# Altium PCB STC89C52_led流水灯_Project.PcbDoc (part 1 of 2)
Units mm, origin at the board's own origin, x right, y up, seen from the top; angles counter-clockwise.
Board outline 100 x 80 mm, 2 copper layers (Top Layer, Bottom Layer); 175 components, 183 nets, 540 pads, 112 vias.
Unrouted connection lines stored in the file: 28.
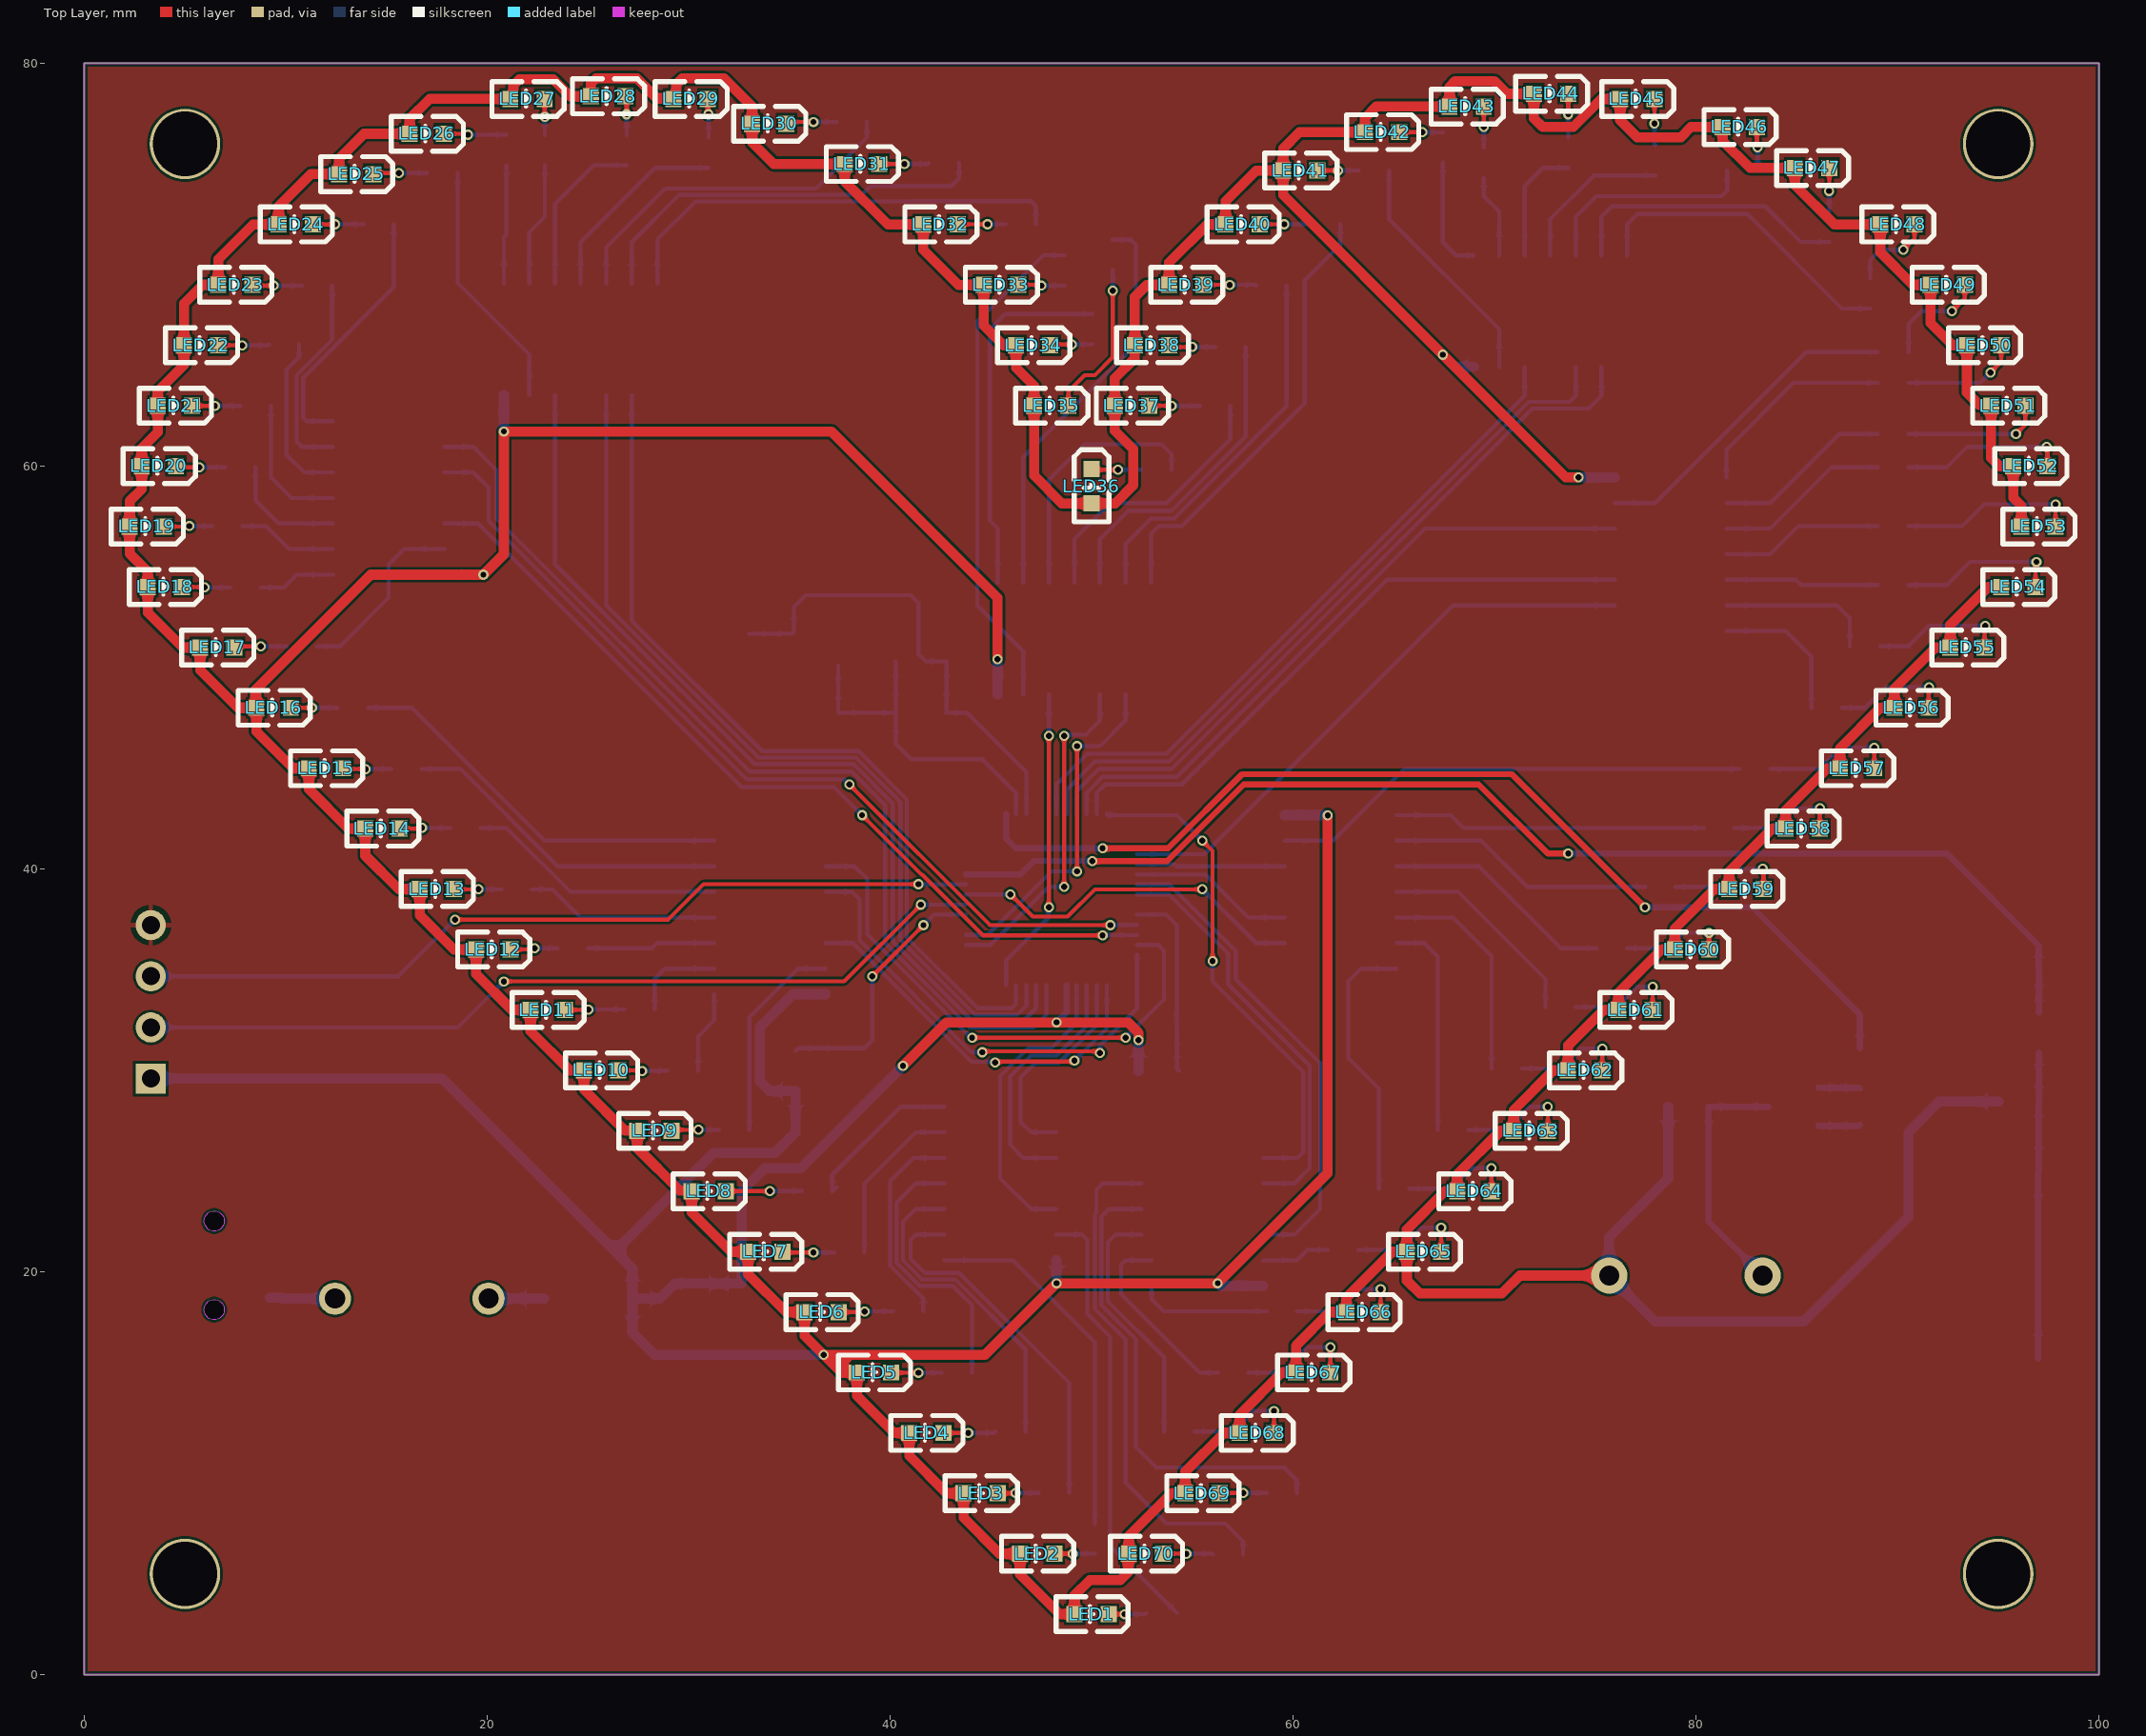
[diagram p0: Top Layer view]
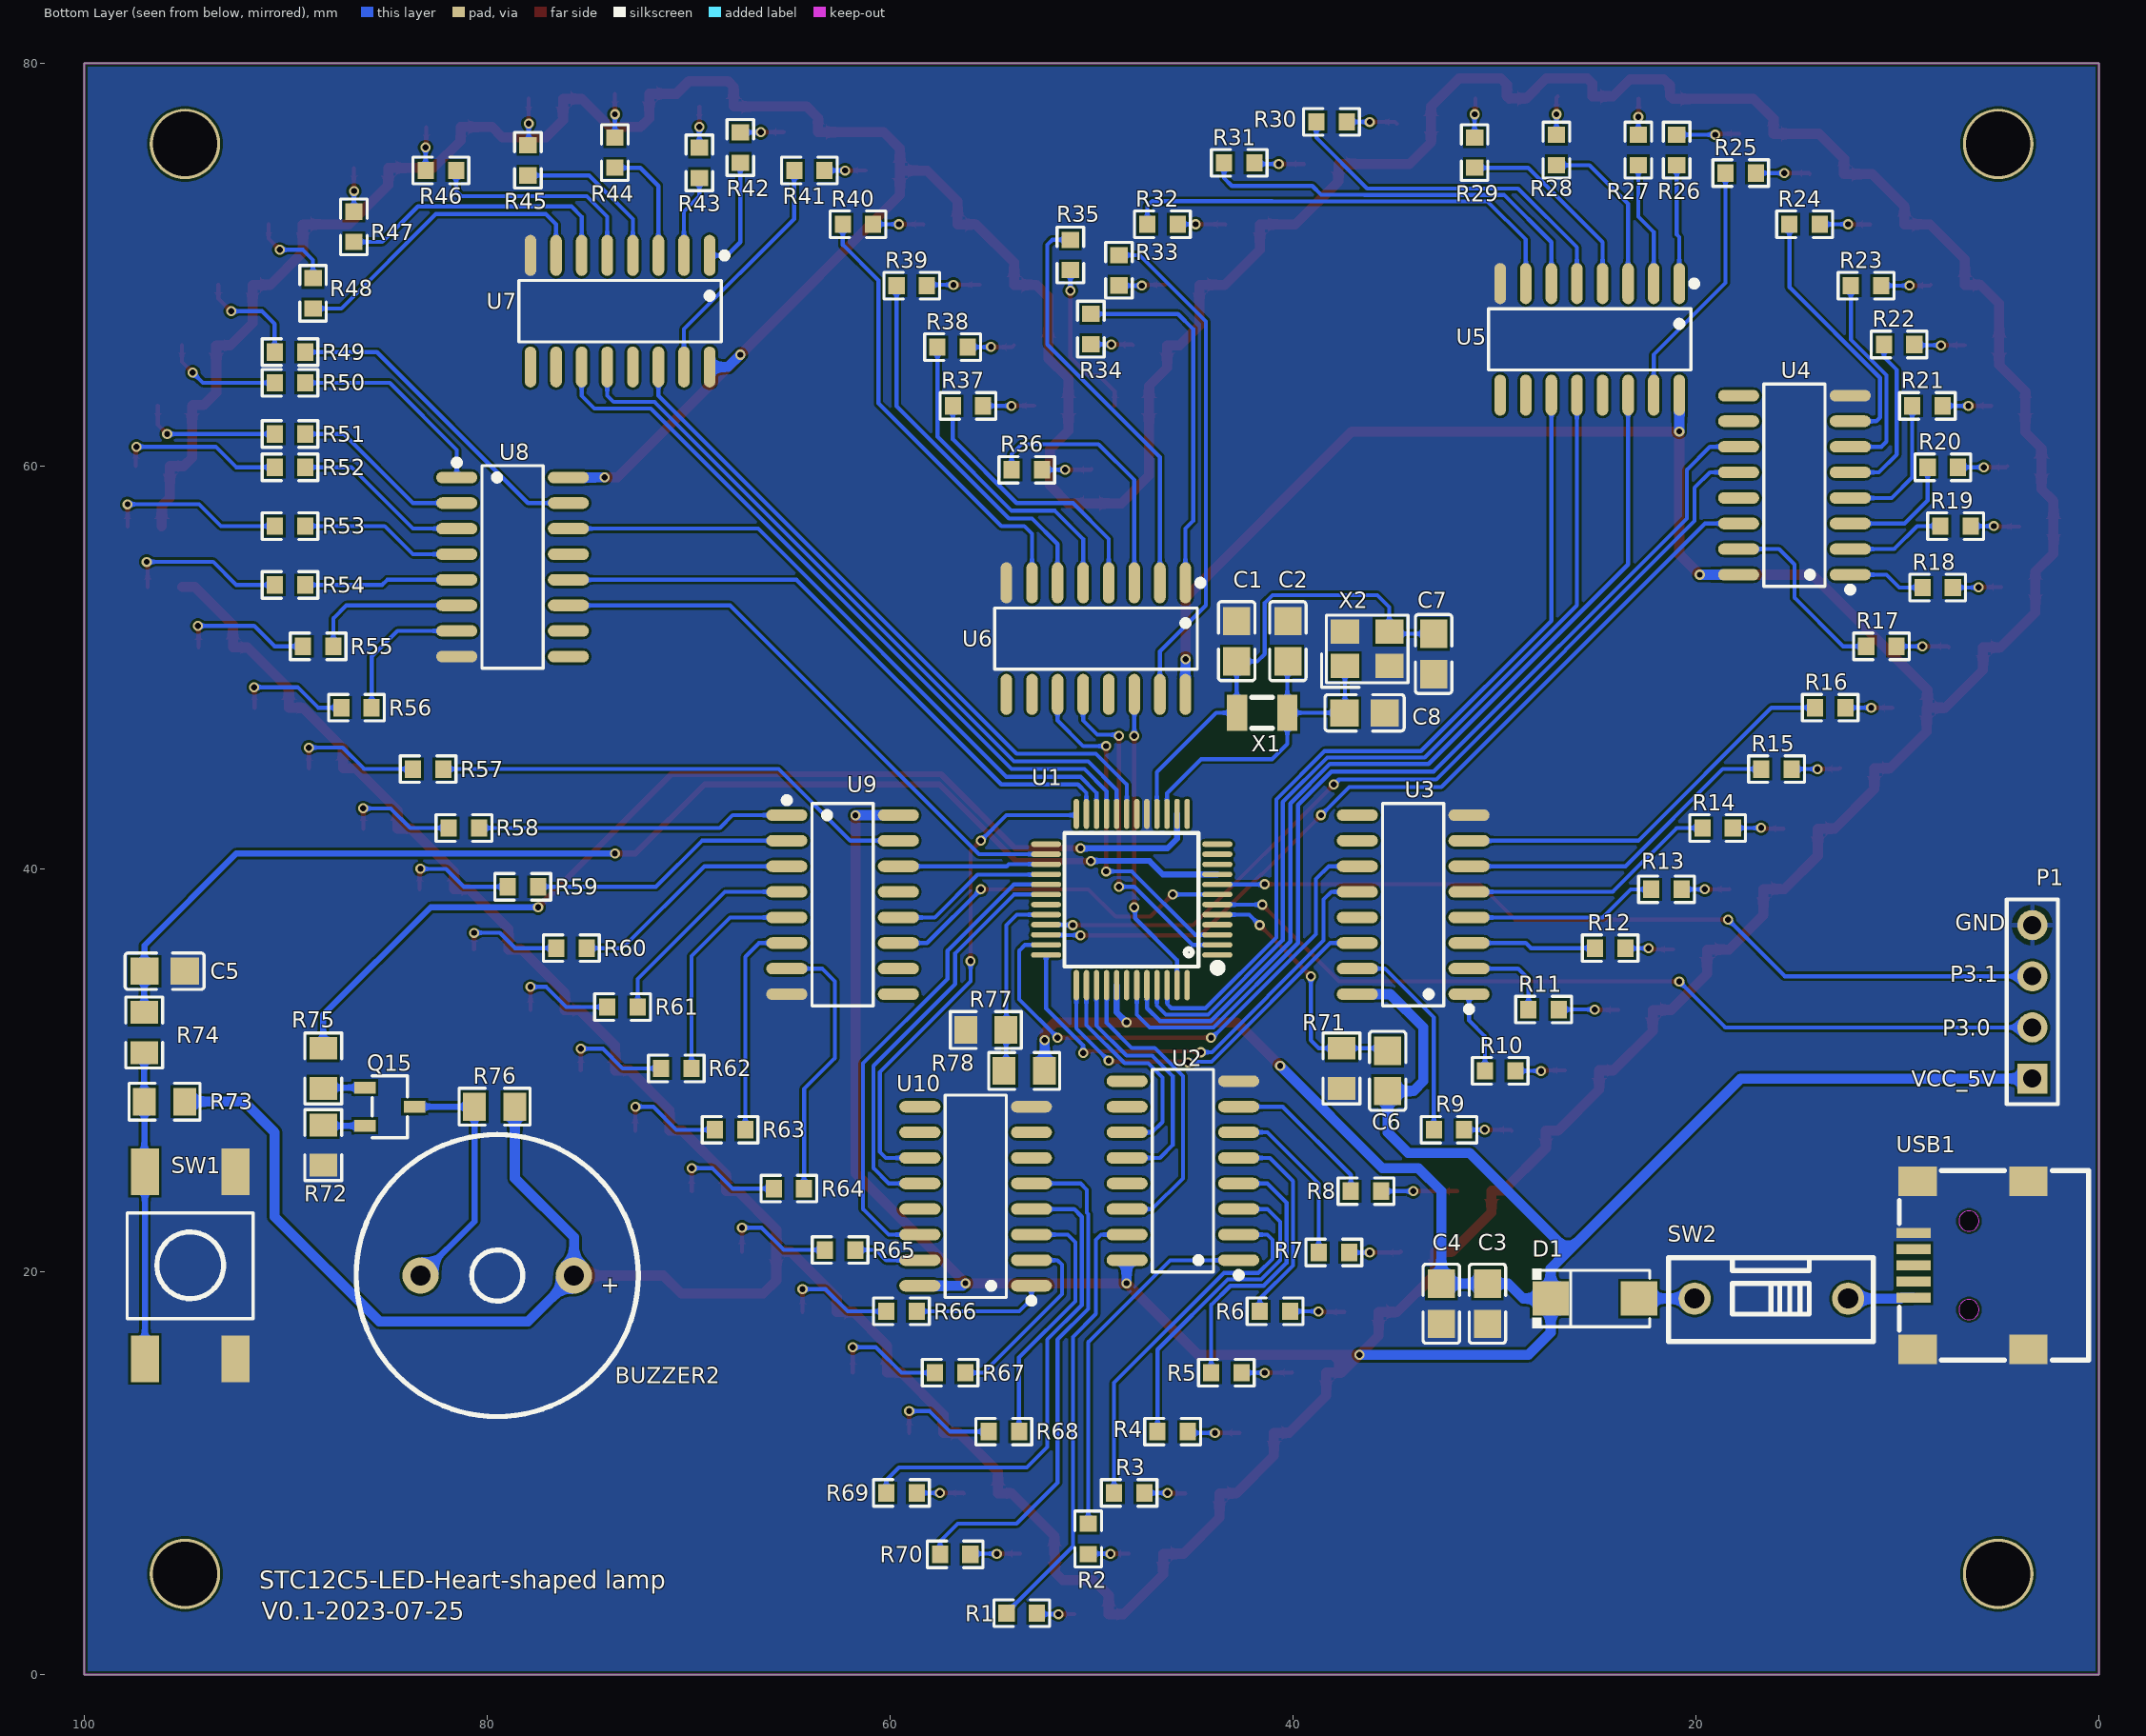
[diagram p1: Bottom Layer view, seen from below]

## Layer stack, top to bottom
Top Solder: solder mask 0.0102, Solder Resist, Dk 3.5
Top Layer: signal copper 0.0356
Dielectric 1: dielectric 0.32, FR-4, Dk 4.8
Bottom Layer: signal copper 0.0356
Bottom Solder: solder mask 0.0102, Solder Resist, Dk 3.5

## Board outline
0,0 100,0 100,80 0,80

## Design rules (kind name [scope] priority, off if disabled: settings)
Clearance [All] p1: gap=0.12 ignorepadtopadclearanceinfootprint=FALSE
PolygonConnect [All] p1: thpad.connectstyle=Relief thpad.reliefconductorwidth=0.254 thpad.reliefentries=4 thpad.polygonreliefangle="90 Angle" thpad.airgapwidth=0.254 smdpad.connectstyle=Direct smdpad.reliefconductorwidth=0.254 smdpad.reliefentries=4 smdpad.polygonreliefangle="90 Angle" smdpad.airgapwidth=0.254 via.connectstyle=Direct via.reliefconductorwidth=0.254 via.reliefentries=4 via.polygonreliefangle="90 Angle" via.airgapwidth=0.254
RoutingVias [All] p1: holewidth=0.711 width=1.27 viastyle="Through Hole" minholewidth=0.3 minwidth=0.5 maxholewidth=0.711 maxwidth=1.27
SolderMaskExpansion [All] p1: expansion=0.102 istentingtop=FALSE
Width [All] p1: maxlimit=0.8 minlimit=0.16 preferedwidth=0.2
30 further rules are at their usual default settings.

## Components (designator, comment, footprint, x,y, rotation, side; value= is the part's Value field where it differs from the comment)
BUZZER2 "SFN-14045PA7.6" 插件,D=14mm 79.502,19.812 r0 bottom value=4000Hz
C1 "" C0805 42.799,51.308 r90 bottom value=22pF
C2 "" C0805 40.259,51.308 r90 bottom value=22pF
C3 "47uF" C0805 30.353,18.415 r90 bottom value=100uF
C4 "0.1uF" C0805 32.639,18.415 r90 bottom value=100uF
C5 "" C0805 96.012,34.925 r0 bottom value=0.1uF
C6 "" C0805 35.306,29.972 r270 bottom value=10uF
C7 "" C0805 33.02,50.673 r270 bottom value=22pF
C8 "" C0805 36.449,47.752 r180 bottom value=22pF
D1 "1N5819" SMA_L4.4-W2.6-LS5.0-RD 25.019,18.669 r180 bottom
LED1 "TLMG1100-GS08" LED0603 50,3 r180 top locked
LED2 "TLMG1100-GS08" LED0603 47.3,6 r180 top
LED3 "TLMG1100-GS08" LED0603 44.5,9 r180 top
LED4 "TLMG1100-GS08" LED0603 41.8,12 r180 top
LED5 "TLMG1100-GS08" LED0603 39.2,15 r180 top
LED6 "TLMG1100-GS08" LED0603 36.6,18 r180 top
LED7 "TLMG1100-GS08" LED0603 33.8,21 r180 top
LED8 "TLMG1100-GS08" LED0603 31,24 r180 top
LED9 "TLMG1100-GS08" LED0603 28.3,27 r180 top
LED10 "TLMG1100-GS08" LED0603 25.654,30 r180 top
LED11 "TLMG1100-GS08" LED0603 23,33 r180 top
LED12 "TLMG1100-GS08" LED0603 20.3,36 r180 top
LED13 "TLMG1100-GS08" LED0603 17.5,39 r180 top
LED14 "TLMG1100-GS08" LED0603 14.8,42 r180 top
LED15 "TLMG1100-GS08" LED0603 12,45 r180 top
LED16 "TLMG1100-GS08" LED0603 9.4,48 r180 top
LED17 "TLMG1100-GS08" LED0603 6.6,51 r180 top
LED18 "TLMG1100-GS08" LED0603 4,54 r180 top
LED19 "TLMG1100-GS08" LED0603 3.1,57 r180 top
LED20 "TLMG1100-GS08" LED0603 3.7,60 r180 top
LED21 "TLMG1100-GS08" LED0603 4.5,63 r180 top
LED22 "TLMG1100-GS08" LED0603 5.8,66 r180 top
LED23 "TLMG1100-GS08" LED0603 7.5,69 r180 top
LED24 "TLMG1100-GS08" LED0603 10.5,72 r180 top
LED25 "TLMG1100-GS08" LED0603 13.5,74.5 r180 top
LED26 "TLMG1100-GS08" LED0603 17,76.5 r180 top
LED27 "TLMG1100-GS08" LED0603 22,78.232 r180 top
LED28 "TLMG1100-GS08" LED0603 26,78.359 r180 top
LED29 "TLMG1100-GS08" LED0603 30.099,78.232 r180 top
LED30 "TLMG1100-GS08" LED0603 34,77 r180 top
LED31 "TLMG1100-GS08" LED0603 38.6,75 r180 top
LED32 "TLMG1100-GS08" LED0603 42.5,72 r180 top
LED33 "TLMG1100-GS08" LED0603 45.5,69 r180 top
LED34 "TLMG1100-GS08" LED0603 47.1,66 r180 top
LED35 "TLMG1100-GS08" LED0603 48,63 r180 top
LED36 "TLMG1100-GS08" LED0603 50,59 r270 top
LED37 "TLMG1100-GS08" LED0603 52,63 r180 top
LED38 "TLMG1100-GS08" LED0603 53,66 r180 top
LED39 "TLMG1100-GS08" LED0603 54.7,69 r180 top
LED40 "TLMG1100-GS08" LED0603 57.5,72 r180 top
LED41 "TLMG1100-GS08" LED0603 60.363,74.676 r180 top
LED42 "TLMG1100-GS08" LED0603 64.427,76.581 r180 top
LED43 "TLMG1100-GS08" LED0603 68.618,77.851 r180 top
LED44 "TLMG1100-GS08" LED0603 72.809,78.486 r180 top
LED45 "TLMG1100-GS08" LED0603 77.089,78.232 r180 top
LED46 "TLMG1100-GS08" LED0603 82.169,76.835 r180 top
LED47 "TLMG1100-GS08" LED0603 85.763,74.803 r180 top
LED48 "TLMG1100-GS08" LED0603 90,72 r180 top
LED49 "TLMG1100-GS08" LED0603 92.5,69 r180 top
LED50 "TLMG1100-GS08" LED0603 94.3,66 r180 top
LED51 "TLMG1100-GS08" LED0603 95.5,63 r180 top
LED52 "TLMG1100-GS08" LED0603 96.6,60 r180 top
LED53 "TLMG1100-GS08" LED0603 97,57 r180 top
LED54 "TLMG1100-GS08" LED0603 96,54 r180 top
LED55 "TLMG1100-GS08" LED0603 93.472,51 r180 top
LED56 "TLMG1100-GS08" LED0603 90.7,48 r180 top
LED57 "TLMG1100-GS08" LED0603 88,45 r180 top
LED58 "TLMG1100-GS08" LED0603 85.3,42 r180 top
LED59 "TLMG1100-GS08" LED0603 82.5,39 r180 top
LED60 "TLMG1100-GS08" LED0603 79.8,36 r180 top
LED61 "TLMG1100-GS08" LED0603 77,33 r180 top
LED62 "TLMG1100-GS08" LED0603 74.5,30 r180 top
LED63 "TLMG1100-GS08" LED0603 71.8,27 r180 top
LED64 "TLMG1100-GS08" LED0603 69,24 r180 top
LED65 "TLMG1100-GS08" LED0603 66.5,21 r180 top
LED66 "TLMG1100-GS08" LED0603 63.5,18 r180 top
LED67 "TLMG1100-GS08" LED0603 61,15 r180 top
LED68 "TLMG1100-GS08" LED0603 58.204,12 r180 top
LED69 "TLMG1100-GS08" LED0603 55.5,9 r180 top
LED70 "TLMG1100-GS08" LED0603 52.7,6 r180 top
P1 "2.54*4-P排针" HDR1X4 3.302,29.591 r90 bottom locked
Q15 "S8050" SOT-23 84.836,28.194 r0 bottom
R1 "" R0603 53.467,3.048 r180 bottom value=1k
R2 "" R0603 50.165,6.731 r270 bottom value=1k
R3 "" R0603 48.133,9.017 r180 bottom value=1k
R4 "" R0603 45.974,12.065 r180 bottom value=1k
R5 "" R0603 43.307,14.986 r180 bottom value=1k
R6 "" R0603 40.894,18.034 r180 bottom value=1k
R7 "" R0603 37.973,20.955 r180 bottom value=1k
R8 "" R0603 36.376,24.003 r180 bottom value=1k
R9 "" R0603 32.258,27.051 r180 bottom value=1k
R10 "" R0603 29.718,29.972 r180 bottom value=1k
R11 "" R0603 27.559,33.02 r180 bottom value=1k
R12 "" R0603 24.257,36.068 r180 bottom value=1k
R13 "" R0603 21.463,38.989 r180 bottom value=1k
R14 "" R0603 18.923,42.037 r180 bottom value=1k
R15 "" R0603 16.002,44.958 r180 bottom value=1k
R16 "" R0603 13.335,48.006 r180 bottom value=1k
R17 "" R0603 10.795,51.054 r180 bottom value=1k
R18 "" R0603 8.001,53.975 r180 bottom value=1k
R19 "" R0603 7.112,57.023 r180 bottom value=1k
R20 "" R0603 7.747,59.944 r180 bottom value=1k
R21 "" R0603 8.509,62.992 r180 bottom value=1k
R22 "" R0603 9.915,66.04 r180 bottom value=1k
R23 "" R0603 11.557,68.961 r180 bottom value=1k
R24 "" R0603 14.605,72.009 r180 bottom value=1k
R25 "" R0603 17.78,74.549 r180 bottom value=1k
R26 "" R0603 20.955,75.692 r90 bottom value=1k
R27 "" R0603 22.86,75.692 r90 bottom value=1k
R28 "" R0603 26.924,75.692 r90 bottom value=1k
R29 "" R0603 30.988,75.565 r90 bottom value=1k
R30 "" R0603 38.091,77.089 r180 bottom value=1k
R31 "" R0603 42.672,75.057 r180 bottom value=1k
R32 "" R0603 46.482,72.009 r180 bottom value=1k
R33 "" R0603 48.641,69.723 r270 bottom value=1k
R34 "" R0603 50.038,66.802 r270 bottom value=1k
R35 "" R0603 51.054,70.485 r270 bottom value=1k
R36 "" R0603 53.213,59.817 r180 bottom value=1k
R37 "" R0603 56.134,62.992 r180 bottom value=1k
R38 "" R0603 56.896,65.913 r180 bottom value=1k
R39 "" R0603 58.928,68.961 r180 bottom value=1k
R40 "" R0603 61.595,72.009 r180 bottom value=1k
R41 "" R0603 64.008,74.676 r180 bottom value=1k
R42 "" R0603 67.437,75.819 r90 bottom value=1k
R43 "" R0603 69.469,75.057 r90 bottom value=1k
R44 "" R0603 73.66,75.565 r90 bottom value=1k
R45 "" R0603 77.978,75.184 r90 bottom value=1k
R46 "" R0603 82.296,74.676 r0 bottom value=1k
R47 "" R0603 86.614,71.882 r90 bottom value=1k
R48 "" R0603 88.646,68.58 r90 bottom value=1k
R49 "" R0603 89.789,65.659 r0 bottom value=1k
R50 "" R0603 89.789,64.135 r0 bottom value=1k
R51 "" R0603 89.789,61.595 r0 bottom value=1k
R52 "" R0603 89.789,59.944 r0 bottom value=1k
R53 "" R0603 89.789,57.023 r0 bottom value=1k
R54 "" R0603 89.789,54.102 r0 bottom value=1k
R55 "" R0603 88.392,51.054 r0 bottom value=1k
R56 "" R0603 86.487,48.006 r0 bottom value=1k
R57 "" R0603 82.931,44.958 r0 bottom value=1k
R58 "" R0603 81.153,42.037 r0 bottom value=1k
R59 "" R0603 78.232,39.116 r0 bottom value=1k
R60 "" R0603 75.819,36.068 r0 bottom value=1k
R61 "" R0603 73.279,33.147 r0 bottom value=1k
R62 "" R0603 70.612,30.099 r0 bottom value=1k
R63 "" R0603 67.945,27.051 r0 bottom value=1k
R64 "" R0603 65.024,24.13 r0 bottom value=1k
R65 "" R0603 62.484,21.082 r0 bottom value=1k
R66 "" R0603 59.436,18.034 r0 bottom value=1k
R67 "" R0603 57.023,14.986 r0 bottom value=1k
R68 "" R0603 54.356,12.065 r0 bottom value=1k
R69 "" R0603 59.436,9.017 r180 bottom value=1k
R70 "" R0603 56.769,5.969 r180 bottom value=1k
R71 "" R0805 37.592,30.099 r90 bottom value=10k
R72 "" R0805 88.138,26.289 r90 bottom value=0
R73 "" R0805 96.012,28.448 r180 bottom value=2M
R74 "" R0805 97.028,31.877 r90 bottom value=4.7k
R75 "" R0805 88.138,30.099 r90 bottom value=100
R76 "" R0805 79.629,28.194 r180 bottom value=1k
R77 "10K" R0805 55.245,32.004 r180 bottom
R78 "20K" R0805 53.34,29.972 r180 bottom
SW1 "1TS005F-2500-5001" KEY-SMD_4P-L6.0-W6.0 94.742,20.32 r180 bottom
SW2 "DSWB01LHGET" SW-TH_DSWB01LHGET 16.256,18.669 r270 bottom
U1 "STC12C5A60S2-35I-LQFP48" LQFP-48_L7.0-W7.0 48.006,38.481 r90 bottom
U2 "74HC595D" SOP-16 45.466,25.019 r90 bottom
U3 "74HC595D." SOP-16 34.036,38.227 r90 bottom
U4 "74HC595D." SOP-16 15.113,59.055 r90 bottom
U5 "74HC595D." SOP-16 25.273,66.294 r0 bottom
U6 "74HC595D." SOP-16 49.784,51.435 r0 bottom
U7 "74HC595D." SOP-16 73.406,67.691 r0 bottom
U8 "74HC595D." SOP-16 78.74,54.991 r270 bottom
U9 "74HC595D." SOP-16 62.357,38.227 r270 bottom
U10 "74HC595D." SOP-16 55.753,23.749 r90 bottom
USB1 "UX-144S-ACP5" MINI-USB-SMD_UX-144S-ACP5 6.35,20.32 r90 bottom
X1 "Q13FC1350000400" SMD3215-2P 41.529,47.752 r0 bottom value=-
X2 "TAXM12M4RFBCCT2T" SMD3225-4P 36.322,50.927 r180 bottom value=12MHz

## Footprints (in the part's own frame and the unit in brackets; to place one, negate y for a bottom-side part, rotate by r counter-clockwise, add the part's x,y. Pads: shape width x height; smd on the part's side, far side on the other; paste and mask are expansions set on the pad)
C0805 [mm]
  rect 1.41x1.35 smd mask+0.051: 1(-1,0) 2(1,0)
  silkscreen extent -1.96,-0.9 1.96,0.9
HDR1X4 [mm] "Connector; Header; 4 Position"
  rect 1.5x1.5 hole 0.9: 1(0,0)
  round 1.5 hole 0.9: 2(2.54,0) 3(5.08,0) 4(7.62,0)
  silkscreen extent -1.27,-1.27 8.89,1.27
KEY-SMD_4P-L6.0-W6.0 [mm]
  rect 1.4x2.3 smd: 1(-2.25,-4.643) 2(-2.25,4.643) 3(2.25,4.643) 4(2.25,-4.643)
  silkscreen extent -3.13,-2.65 3.13,2.6
LED0603 [mm]
  rect 0.8x0.8 smd paste+0 mask+0.051: 1(0.851,0) 2(-0.851,0)
  silkscreen extent -1.82,-0.86 1.77,0.86
LQFP-48_L7.0-W7.0 [mm]
  oval 0.27x1.5 smd paste+0 mask+0.05: 1(-2.75,-4.25) 2(-2.25,-4.25) 3(-1.75,-4.25) 4(-1.25,-4.25) 5(-0.75,-4.25) 6(-0.25,-4.25) 7(0.25,-4.25) 8(0.75,-4.25) 9(1.25,-4.25) 10(1.75,-4.25) 11(2.25,-4.25) 12(2.75,-4.25) 25(2.75,4.25) 26(2.25,4.25) 27(1.75,4.25) 28(1.25,4.25) 29(0.75,4.25) 30(0.25,4.25) 31(-0.25,4.25) 32(-0.75,4.25) 33(-1.25,4.25) 34(-1.75,4.25) 35(-2.25,4.25) 36(-2.75,4.25)
  oval 1.5x0.27 smd paste+0 mask+0.05: 13(4.25,-2.75) 14(4.25,-2.25) 15(4.25,-1.75) 16(4.25,-1.25) 17(4.25,-0.75) 18(4.25,-0.25) 19(4.25,0.25) 20(4.25,0.75) 21(4.25,1.25) 22(4.25,1.75) 23(4.25,2.25) 24(4.25,2.75) 37(-4.25,2.75) 38(-4.25,2.25) 39(-4.25,1.75) 40(-4.25,1.25) 41(-4.25,0.75) 42(-4.25,0.25) 43(-4.25,-0.25) 44(-4.25,-0.75) 45(-4.25,-1.25) 46(-4.25,-1.75) 47(-4.25,-2.25) 48(-4.25,-2.75)
  silkscreen extent -3.59,-4.46 3.3,3.34
MINI-USB-SMD_UX-144S-ACP5 [mm]
  rect 0.5x1.7 smd: 1(-1.6,2.85) 2(-0.8,2.85) 3(0,2.85) 4(0.8,2.85) 5(1.6,2.85)
  rect 1.45x1.9 smd: 6(-4.175,2.65) 7(-4.175,-2.85) 8(4.175,-2.85) 9(4.175,2.65)
  Keep-Out Layer board cut-out: -1.7,0.1 -1.749,0.317 -1.888,0.491 -2.089,0.587 -2.311,0.587 -2.512,0.491 -2.65,0.317 -2.7,0.1 -2.7,0.1 -2.65,-0.117 -2.512,-0.291 -2.311,-0.388 -2.089,-0.388 -1.888,-0.291 -1.749,-0.117 -1.7,0.1
  Keep-Out Layer board cut-out: 2.7,0.1 2.651,0.317 2.512,0.491 2.311,0.587 2.089,0.587 1.888,0.491 1.75,0.317 1.7,0.1 1.7,0.1 1.75,-0.117 1.888,-0.291 2.089,-0.388 2.311,-0.388 2.512,-0.291 2.651,-0.117 2.7,0.1
  silkscreen extent -4.7,-5.84 4.7,3.56
R0603 [mm]
  rect 0.806x0.864 smd mask+0.051: 1(-0.753,0) 2(0.753,0)
  silkscreen extent -1.39,-0.66 1.39,0.66
R0805 [mm]
  rect 1.133x1.377 smd mask+0.051: 1(-1,0) 2(1,0)
  silkscreen extent -1.76,-0.92 1.76,0.92
SMA_L4.4-W2.6-LS5.0-RD [mm]
  rect 1.8x1.7 smd: 1(-2.192,0) 2(2.192,0)
  silkscreen extent -3.11,-1.48 2.73,1.48
SMD3215-2P [mm] "FC-135晶振"
  rect 1x1.8 smd: 1(-1.25,0) 2(1.25,0)
  silkscreen extent -0.51,-0.76 0.51,0.76
SMD3225-4P [mm]
  rect 1.4x1.2 smd: 1(-1.1,-0.85) 2(1.1,-0.85) 3(1.1,0.85) 4(-1.1,0.85)
  silkscreen extent -2.26,-1.91 2.03,1.68
SOP-16 [mm]
  oval 0.574x2.038 smd: 1(-4.445,-2.769) 2(-3.175,-2.769) 3(-1.905,-2.769) 4(-0.635,-2.769) 5(0.635,-2.769) 6(1.905,-2.769) 7(3.175,-2.769) 8(4.445,-2.769) 9(4.445,2.769) 10(3.175,2.769) 11(1.905,2.769) 12(0.635,2.769) 13(-0.635,2.769) 14(-1.905,2.769) 15(-3.175,2.769) 16(-4.445,2.769)
  silkscreen extent -5.33,-2.92 5.03,1.52
SOT-23 [mm]
  rect 1.07x0.6 smd paste+0 mask+0.051: 1(1.235,-0.95) 2(1.235,0.95) 3(-1.235,0)
  silkscreen extent -0.88,-1.54 0.88,1.54
SW-TH_DSWB01LHGET [mm] "插件"
  round 1.6 hole 1: 1(0,3.81) 2(0,-3.81)
  silkscreen extent -2.02,-5.11 2.13,5.05
插件,D=14mm [mm] "蜂鸣器"
  round 1.8 hole 1: 1(-3.81,0) 2(3.81,0)
  silkscreen extent -7,-7 7,7

## Part data
BUZZER2: library part GPC12075YB-5V, "品牌：S&S(海旭)", JLCPCB Part Class="Extended Part", Manufacturer=INGHAi(赢海), Rated Voltage=5V, Add into BOM=yes, Convert to PCB=yes, Datasheet=https://atta.szlcsc.com/upload/public/pdf/source/20180829/C252948_AFFEFE4B0E08148D92156D1A8E3E594F.pdf, Device=GPC12075YB-5V, Diameter (φD)=12mm, Height=7.7mm, LCSC Part Name=GPC12075YB-5V, Manufacturer Part=GPC12075YB-5V, Name=4000Hz, Oscillator Circuit=无源(外部驱动), Sound Pressure Level (SPL)=80dB@12V,10cm, Supplier=LCSC, Supplier Footprint=-, Supplier Part=C252948, Symbol=GPC12075YB-5V, Technology Type=压电式
C1 C2 C3 C4 C5 C6 C7 C8: library part C?, JLCPCB Part Class="Extended Part", LCSC Part Name="100uF ±20% 6.3V", Manufacturer=muRata(村田), Manufacturer Part=GRM21BR60J107ME15L, Temperature Coefficient=X5R, Tolerance=±20%, Voltage Rated=6.3V, Add into BOM=yes, Convert to PCB=yes, Datasheet=https://atta.szlcsc.com/upload/public/pdf/source/20171113/C141660_15105613320671115822.pdf, Device=GRM21BR60J107ME15L, Supplier=LCSC, Supplier Footprint=0805, Supplier Part=C141660, Symbol=GRM21BR60J107ME15L
  C1 C2 C7 C8: Name=22pF
  C3 C4: Name=100uF
  C5: Name=0.1uF
  C6: Name=10uF
D1: library part 1N5819_C437199, "品牌：KEXIN(科信)", Average Rectified Current (Io)=1A, Forward Voltage (Vf@If)=500mV@1A, JLCPCB Part Class="Extended Part", LCSC Part Name="40V 1A 500mV@1A", Manufacturer=KEXIN(科信), Reverse Voltage (Vr)=40V, Add into BOM=yes, Convert to PCB=yes, Datasheet=https://atta.szlcsc.com/upload/public/pdf/source/20191012/C437199_83583E622A6684E767605E43C169C596.pdf, Device=1N5819_C437199, Manufacturer Part=1N5819, Name=1N5819, Supplier=LCSC, Supplier Footprint=SMA, Supplier Part=C437199, Symbol=1N5819_C437199
LED1 LED2 LED3 LED4 LED5 LED6 LED7 LED8 LED9 LED10 LED11 LED12 LED13 LED14 LED15 LED16 LED17 LED18 LED19 LED20 LED21 LED22 LED23 LED24 LED25 LED26 LED27 LED28 LED29 LED30 LED31 LED32 LED33 LED34 LED35 LED36 LED37 LED38 LED39 LED40 LED41 LED42 LED43 LED44 LED45 LED46 LED47 LED48 LED49 LED50 LED51 LED52 LED53 LED54 LED55 LED56 LED57 LED58 LED59 LED60 LED61 LED62 LED63 LED64 LED65 LED66 LED67 LED68 LED69 LED70: "LED?", Correlated Color Temperature - CCT(K)=-, Illumination Color=普绿/黄绿, JLCPCB Part Class="Extended Part", LCSC Part Name="普绿/黄绿 0603", Manufacturer=VISHAY(威世), Add into BOM=yes, Convert to PCB=yes, Datasheet=https://atta.szlcsc.com/upload/public/pdf/source/20180719/C241891_3C76D4DD30CDE57601F75DEAAAECA69D.pdf, Device=TLMG1100-GS08, Dominant Wavelength / Coordinate rank=570nm, Luminous Flux/Radiant Flux=-, Luminous Intensity (IF=20mA)=35mcd, Manufacturer Part=TLMG1100-GS08, Mounting Type=表面贴装, Name=TLMG1100-GS08, Supplier=LCSC, Supplier Footprint=0603, Supplier Part=C241891, Symbol=TLMG1100-GS08
P1: library part "Header 4", "生产不焊接", LatestRevisionDate=17-Jul-2002, LatestRevisionNote="Re-released for DXP Platform.", Publisher="Altium Limited"
Q15: Collector Current (Ic)=500mA, Collector Cut-Off Current (Icbo)=100nA, Collector-Emitter Breakdown Voltage (Vceo)=25V, Collector-Emitter Saturation Voltage (VCE(sat)@Ic,Ib)=600mV@500mA,50mA, JLCPCB Part Class="Extended Part", LCSC Part Name="NPN 25V 500mA", Manufacturer=Hottech(合科泰), Operating Temperature=+150℃@(Tj), Power Dissipation (Pd)=300mW, Transition Frequency (fT)=150MHz, Add into BOM=yes, Convert to PCB=yes, Datasheet=https://atta.szlcsc.com/upload/public/pdf/source/20220506/D987F39D56F2975D34EC7947E75C4ABC.pdf, Device=S8050_C181158, Manufacturer Part=S8050, Name=S8050, Supplier=LCSC, Supplier Footprint=SOT-23, Supplier Part=C181158, Symbol=S8050_C181158, Transistor Type=NPN
R1 R2 R3 R4 R5 R6 R7 R8 R9 R10 R11 R12 R13 R14 R15 R16 R17 R18 R19 R20 R21 R22 R23 R24 R25 R26 R27 R28 R29 R30 R31 R32 R33 R34 R35 R36 R37 R38 R39 R40 R41 R42 R43 R44 R45 R46 R47 R48 R49 R50 R51 R52 R53 R54 R55 R56 R57 R58 R59 R60 R61 R62 R63 R64 R65 R66 R67 R68 R69 R70 R71 R72 R73 R74 R75 R76: library part ERJPB6B1001V, JLCPCB Part Class="Extended Part", LCSC Part Name="1KΩ(1001) ±0.1%", Manufacturer=PANASONIC(松下), Add into BOM=yes, Convert to PCB=yes, Datasheet=https://atta.szlcsc.com/upload/public/pdf/source/20190821/C413712_16C6B59B4DECA51D4907C6F5D5BAEAA8.pdf, Device=ERJPB6B1001V, Manufacturer Part=ERJPB6B1001V, Supplier=LCSC, Supplier Footprint=0805, Supplier Part=C413712, Symbol=ERJPB6B1001V
R77 R78: library part ERJPB6B1001V, "R", JLCPCB Part Class="Extended Part", LCSC Part Name="1KΩ(1001) ±0.1%", Manufacturer=PANASONIC(松下), Add into BOM=yes, Convert to PCB=yes, Datasheet=https://atta.szlcsc.com/upload/public/pdf/source/20190821/C413712_16C6B59B4DECA51D4907C6F5D5BAEAA8.pdf, Device=ERJPB6B1001V, Manufacturer Part=ERJPB6B1001V, Name=ERJPB6B1001V, Supplier=LCSC, Supplier Footprint=0805, Supplier Part=C413712, Symbol=ERJPB6B1001V
SW1: "品牌： HYP(鸿源精密)", Actuator/Cap Color=黑色, Contact Current=50mA, Insulation Resistance=100MΩ, JLCPCB Part Class="Extended Part", LCSC Part Name="6*6*5mm 立贴 轻触开关", Manufacturer=HYP(鸿源精密), Operating Force=250gf@±50gf, Operating Temperature=-40℃~+90℃, Power Rating=0.6W, Voltage Rating (DC)=12V, Actuator Style=圆形按钮, Add into BOM=yes, Circuit=单刀单掷, Convert to PCB=yes, Datasheet=https://atta.szlcsc.com/upload/public/pdf/source/20180720/C255812_0808C7D708FD1FB7246546D29134BBAD.pdf, Device=1TS005F-2500-5001, Manufacturer Part=1TS005F-2500-5001, Mechanical Life=7万次, Mounting Style=立贴, Name=1TS005F-2500-5001, Pin Style=鸥翼型, Strike Gundam=否, Supplier=LCSC, Supplier Footprint=SMD,6x6mm, Supplier Part=C255812, Switch Height=5mm, Switch Length=6mm, Switch Width=6mm, Symbol=1TS005F-2500-5001, With Lamp=无
SW2: Color=红色, JLCPCB Part Class="Extended Part", LCSC Part Name=红色宽体1位顶拨插件, Manufacturer=YE, Operating Life=-, Add into BOM=yes, Circuit=单刀单掷, Convert to PCB=yes, Datasheet=https://atta.szlcsc.com/upload/public/pdf/source/20170824/C126888_1503565979649906649.pdf, Device=DSWB01LHGET, Lead Pitch=-, Manufacturer Part=DSWB01LHGET, Name=DSWB01LHGET, Number of Positions=1, Supplier=LCSC, Supplier Footprint=插件, Supplier Part=C126888, Symbol=DSWB01LHGET, Type=平拨,凸起式
U1: JLCPCB Part Class="Extended Part", LCSC Part Name="51系列 35MHz", Low-Voltage Detect=有, Manufacturer=STC(宏晶), Operating Temperature Range=-40℃~+85℃, Operating Voltage Range=4V~5.5V, 8Bit Timer=-, 16Bit Timer=2, 32Bit Timer=-, ADC (Bit)=10bit, Add into BOM=yes, CAN=-, CCP Capture/Compare=有, communication protocol=-, Convert to PCB=yes, CPU Core=51系列, CPU Maximum Speed=35MHz, DAC (Bit)=-, Datasheet=https://atta.szlcsc.com/upload/public/pdf/source/20120808/1457706522369.pdf, Device=STC12C5A60S2-35I-LQFP48, Direct Memory Access=-, EEPROM=-, GPIO Ports Number=44, I2C=-, I2S=-, Infrared Data Association=-, Internal Comparator=-, Internal Oscillator=有, Manufacturer Part=STC12C5A60S2-35I-LQFP48, Name=STC12C5A60S2-35I-LQFP48, Peripheral/Function=低电压检测；看门狗；CCP捕获/比较, Program Memory Type=FLASH, Program Storage Size=60KB, PWM (Bit)=-, RAM Size=1.25KB, Real-Time Clock=-, Secure Digital Input and Output=-, SPI=1, Supplier=LCSC, Supplier Footprint=LQFP-48(7x7), Supplier Part=C8695, Symbol=STC12C5A60S2-35I, UART/USART=2, Universal Serial Bus=-, Watchdog=有
U2: library part 74HC595D., "品牌： JSMSEMI(杰盛微)", Designer=U?, Device=74HC595D., Symbol=74HC595D.
U3 U4 U5 U6 U7 U8 U9 U10: "品牌： JSMSEMI(杰盛微)", Designer=U?, Device=74HC595D., Symbol=74HC595D.
USB1: "品牌： XUNPU(讯普)", Current Rating - Power (Max)=1.5A, JLCPCB Part Class="Extended Part", LCSC Part Name="Mini-B 母座 卧贴", Manufacturer=XUNPU(讯普), Operating Temperature Range=-20℃~+70℃, Welding Temperature (Max)=260℃, Add into BOM=yes, Connector Type=Mini-B, Convert to PCB=yes, Device=UX-144S-ACP5, Gender=母座, Manufacturer Part=UX-144S-ACP5, Mounting Style=卧贴, Name=UX-144S-ACP5, Number of Contacts=5, Number of Ports=1, Standard="USB 2.0", Supplier=LCSC, Supplier Footprint=SMD,9.20x7.50x3.85mm, Supplier Part=C720611, Symbol=UX-144S-ACP5
X1: library part X？, "品牌： EPSON(爱普生)", JLCPCB Part Class="Extended Part", LCSC Part Name="32.768KHz 12.5PF 20ppm", Load Capacitance=-, Manufacturer=KDS(大真空), Manufacturer Part="DST310S 32.768KHz", Add into BOM=yes, Convert to PCB=yes, Crystal Type=-, Datasheet=https://atta.szlcsc.com/upload/public/pdf/source/20170919/C93232_1505799689477977622.pdf, Device="DST310S 32.768KHz", Name=-, Operating Temperature=-, Supplier=LCSC, Supplier Footprint=SMD3215-2P, Supplier Part=C93232, Symbol="DST310S 32.768KHz"
X2: "品牌： TAE(雅晶鑫)", Equivalent Series Resistance (ESR)=80Ω, Frequency Stability=±50ppm, Frequency Tolerance=±10ppm, JLCPCB Part Class="Extended Part", LCSC Part Name="12MHz ±10ppm 12pF", Load Capacitance=12pF, Manufacturer=TAE(雅晶鑫), Operating Temperature=-, Add into BOM=yes, Convert to PCB=yes, Crystal Type=贴片无源晶振, Datasheet=https://atta.szlcsc.com/upload/public/pdf/source/20171014/C133337_15079754979871038234.pdf, Device=TAXM12M4RFBCCT2T, Manufacturer Part=TAXM12M4RFBCCT2T, Name=12MHz, Supplier=LCSC, Supplier Footprint=SMD3225-4P, Supplier Part=C133337, Symbol=SMD-3225_4P12M12PF10PPM

## Free pads (board coordinates)
  round 3.5 hole 3.2 mask+0.102: 1(5,5) 2(95,5) 3(95,76) 4(5,76)

## Via types
v1: diameter 0.5, hole 0.3, Top Layer to Bottom Layer, tented both sides, 112 vias

## Nets (pads, with @x,y where several pads share a name; then routed paths per layer and width w, separated by ;. In a path a pad name is that pad's centre, name@x,y a point inside that pad or via, vN(x,y) a via of type N, cw(c..) or ccw(c..) an arc to the next point about the centre after c; other vN are vias at no path point)
EX_LVD: R77.2 R78.1 U1.32 | length 9.5
  Bottom Layer w0.2: U1.32@52.256,37.731 53.709,37.731 54.229,37.211 54.229,32.02 R77.2@54.245,32.004 54.245,30.067 R78.1@54.34,29.972
GND: C1.2 C2.2 C3.1 C4.1 C5.1 C7.2 C8.2 P1.4 R71.1 R72.1 R77.1 SW1.3 SW1.4 U1.17 U2.8 U3.8 U4.8 U5.8 U6.8 U7.8 U8.8 U9.8 U10.8 USB1.5 USB1.6 USB1.7 USB1.8 USB1.9 X2.2 X2.4
LED1: R1.1 U2.15 | length 22
  Bottom Layer w0.2: U2.15@48.235,21.844 49.53,21.844 49.784,21.59 49.784,17.907 50.927,16.764 50.927,6.37 54.22,3.077 R1.1@54.22,3.048
LED2: R2.1 U2.1 | length 18.2
  Bottom Layer w0.2: U2.1@42.697,20.574 46.101,20.574 50.165,16.51 R2.1@50.165,7.484
LED3: R3.1 U2.2 | length 18.6
  Bottom Layer w0.2: U2.2@42.697,21.844 41.275,21.844 41.021,21.59 41.021,20.646 41.723,19.944 43.429,19.944 48.886,14.487 R3.1@48.886,9.017
LED4: R4.1 U2.3 | length 16.2
  Bottom Layer w0.2: U2.3@42.697,23.114 41.275,23.114 40.64,22.479 40.64,20.574 41.59,19.624 43.241,19.624 46.727,16.138 R4.1@46.727,12.065
LED5: R5.1 U2.4 | length 13.7
  Bottom Layer w0.2: U2.4@42.697,24.384 41.275,24.384 40.32,23.429 40.32,20.441 41.457,19.304 43.108,19.304 44.06,18.352 R5.1@44.06,14.986
LED6: R6.1 U2.5 | length 10.3
  Bottom Layer w0.2: R6.1@41.647,18.034 41.647,18.662 40,20.309 40,24.506 41.148,25.654 U2.5@42.697,25.654
LED7: R7.1 U2.6 | length 8.4
  Bottom Layer w0.2: R7.1@38.726,20.955 38.726,24.375 41.275,26.924 U2.6@42.697,26.924
LED8: R8.1 U2.7 | length 8.1
  Bottom Layer w0.2: R8.1@37.338,24.211 R8.1@37.13,24.003 37.13,24.811 40.513,28.194 U2.7@42.697,28.194
LED9: R9.1 U3.15 | length 10.4
  Bottom Layer w0.2: R9.1@33.011,27.051 33.011,32.63 35.433,35.052 U3.15@36.805,35.052
LED10: R10.1 U3.1 | length 4.1
  Bottom Layer w0.2: R10.1@30.471,29.972 30.471,31.686 31.267,32.481 U3.1@31.267,33.782
LED11: R11.1 U3.2 | length 4.7
  Bottom Layer w0.2: R11.1@28.312,33.02 28.312,34.535 28.829,35.052 U3.2@31.267,35.052
LED12: R12.1 U3.3 | length 6.4
  Bottom Layer w0.2: R12.1@25.01,36.068 28.194,36.068 28.448,36.322 U3.3@31.267,36.322
LED13: R13.1 U3.4 | length 9.6
  Bottom Layer w0.2: R13.1@22.216,38.989 23.241,38.989 24.638,37.592 U3.4@31.267,37.592
LED14: R14.1 U3.5 | length 12.9
  Bottom Layer w0.2: R14.1@19.676,42.037 20.955,42.037 24.13,38.862 U3.5@31.267,38.862
LED15: R15.1 U3.6 | length 16.5
  Bottom Layer w0.2: R15.1@16.755,44.958 18.669,44.958 23.495,40.132 U3.6@31.267,40.132
LED16: R16.1 U3.7 | length 19.9
  Bottom Layer w0.2: R16.1@14.088,48.006 16.256,48.006 22.86,41.402 U3.7@31.267,41.402
LED17: R17.1 U4.15 | length 9.3
  Bottom Layer w0.2: R17.1@11.548,51.054 12.7,51.054 15.113,53.467 15.113,55.118 15.875,55.88 U4.15@17.882,55.88
LED18: R18.1 U4.1 | length 3.9
  Bottom Layer w0.2: R18.1@8.754,53.975 9.906,53.975 10.541,54.61 U4.1@12.344,54.61
LED19: R19.1 U4.2 | length 5
  Bottom Layer w0.2: R19.1@7.865,57.023 9.017,57.023 10.16,55.88 U4.2@12.344,55.88
LED20: R20.1 U4.3 | length 6
  Bottom Layer w0.2: R20.1@8.5,59.944 8.5,58.302 9.652,57.15 U4.3@12.344,57.15
LED21: R21.1 U4.4 | length 7.1
  Bottom Layer w0.2: R21.1@9.262,62.992 9.262,59.445 10.287,58.42 U4.4@12.344,58.42
LED22: R22.1 U4.5 | length 8.4
  Bottom Layer w0.2: R22.1@10.668,66.04 10.668,65.405 10.033,64.77 10.033,60.579 10.922,59.69 U4.5@12.344,59.69
LED23: R23.1 U4.6 | length 10.4
  Bottom Layer w0.2: R23.1@12.31,68.961 12.31,66.285 10.541,64.516 10.541,61.214 10.795,60.96 U4.6@12.344,60.96
LED24: R24.1 U4.7 | length 13
  Bottom Layer w0.2: U4.7@12.344,62.23 11.049,62.23 10.861,62.418 10.861,64.383 15.358,68.881 R24.1@15.358,72.009
LED25: R25.1 U5.15 | length 12.5
  Bottom Layer w0.2: R25.1@18.533,74.549 18.533,69.097 22.098,65.532 U5.15@22.098,63.525
LED26: R26.1 U5.1 | length 5.9
  Bottom Layer w0.2: U5.1@20.828,69.063 20.828,71.374 20.955,71.501 R26.1@20.955,74.939
LED27: R27.1 U5.2 | length 6.2
  Bottom Layer w0.2: U5.2@22.098,69.063 22.098,71.628 22.86,72.39 R27.1@22.86,74.939
LED28: R28.1 U5.3 | length 8.3
  Bottom Layer w0.2: U5.3@23.368,69.063 23.368,73.025 25.282,74.939 R28.1@26.924,74.939
LED29: R29.1 U5.4 | length 9.9
  Bottom Layer w0.2: U5.4@24.638,69.063 24.638,71.12 28.33,74.812 R29.1@30.988,74.812
LED30: R30.1 U5.5 | length 17.8
  Bottom Layer w0.2: U5.5@25.908,69.063 25.908,70.866 28.829,73.787 36.322,73.787 38.845,76.31 R30.1@38.845,77.089
LED31: R31.1 U5.6 | length 20.4
  Bottom Layer w0.2: U5.6@27.178,69.063 27.178,71.12 29.525,73.467 36.455,73.467 36.46,73.472 38.602,73.472 39.044,73.914 43.036,73.914 43.425,74.304 R31.1@43.425,75.057
LED32: R32.1 U5.7 | length 22.8
  Bottom Layer w0.2: U5.7@28.448,69.063 28.448,71.247 30.348,73.147 41.019,73.147 41.023,73.152 46.99,73.152 47.235,72.907 R32.1@47.235,72.009
LED33: R33.1 U6.15 | length 25.1
  Bottom Layer w0.2: U6.15@46.609,48.666 46.609,50.8 44.323,53.086 44.323,67.183 47.616,70.476 R33.1@48.641,70.476
LED34: R34.1 U6.1 | length 18.1
  Bottom Layer w0.2: U6.1@45.339,54.204 45.339,56.896 44.958,57.277 44.958,66.802 45.711,67.555 R34.1@50.038,67.555
LED35: R35.1 U6.2 | length 20.3
  Bottom Layer w0.2: U6.2@46.609,54.204 46.609,60.452 52.197,66.04 52.197,70.988 51.946,71.238 R35.1@51.054,71.238
LED36: R36.1 U6.3 | length 12.9
  Bottom Layer w0.2: U6.3@47.879,54.204 47.879,59.309 49.657,61.087 53.467,61.087 53.966,60.588 R36.1@53.966,59.817
LED37: R37.1 U6.4 | length 13.6
  Bottom Layer w0.2: U6.4@49.149,54.204 49.149,56.388 50.927,58.166 53.721,58.166 56.887,61.332 R37.1@56.887,62.992
LED38: R38.1 U6.5 | length 16
  Bottom Layer w0.2: U6.5@50.419,54.204 50.419,56.388 51.816,57.785 53.975,57.785 57.649,61.459 R38.1@57.649,65.913
LED39: R39.1 U6.6 | length 18.7
  Bottom Layer w0.2: U6.6@51.689,54.204 51.689,56.134 52.959,57.404 54.102,57.404 59.681,62.983 R39.1@59.681,68.961
LED40: R40.1 U6.7 | length 22.4
  Bottom Layer w0.2: U6.7@52.959,54.204 52.959,56.642 53.34,57.023 54.483,57.023 60.579,63.119 60.579,69.215 62.348,70.984 R40.1@62.348,72.009
LED41: R41.1 U7.15 | length 12
  Bottom Layer w0.2: R41.1@64.761,74.676 64.761,72.272 70.231,66.802 U7.15@70.231,64.922
LED42: R42.1 U7.1 | length 5.7
  Bottom Layer w0.2: R42.1@67.437,75.066 67.437,71.12 68.097,70.46 U7.1@68.961,70.46
LED43: R43.1 U7.2 | length 4.2
  Bottom Layer w0.2: R43.1@69.469,74.304 69.469,73.406 70.231,72.644 U7.2@70.231,70.46
LED44: R44.1 U7.3 | length 6
  Bottom Layer w0.2: U7.3@71.501,70.46 71.501,73.914 72.399,74.812 R44.1@73.66,74.812
LED45: R45.1 U7.4 | length 7.9
  Bottom Layer w0.2: U7.4@72.771,70.46 72.771,72.263 74.939,74.431 R45.1@77.978,74.431
LED46: R46.1 U7.5 | length 11
  Bottom Layer w0.2: U7.5@74.041,70.46 74.041,72.39 75.057,73.406 81.28,73.406 81.543,73.669 R46.1@81.543,74.676
LED47: R47.1 U7.6 | length 14.2
  Bottom Layer w0.2: U7.6@75.311,70.46 75.311,72.39 75.819,72.898 83.439,72.898 85.208,71.129 R47.1@86.614,71.129
LED48: R48.1 U7.7 | length 15.8
  Bottom Layer w0.2: U7.7@76.581,70.46 76.581,72.009 77.089,72.517 82.55,72.517 87.24,67.827 R48.1@88.646,67.827
LED49: R49.1 U8.15 | length 16.2
  Bottom Layer w0.2: U8.15@75.971,58.166 77.978,58.166 85.471,65.659 R49.1@89.036,65.659
LED50: R50.1 U8.1 | length 10.3
  Bottom Layer w0.2: U8.1@81.509,59.436 81.509,60.808 84.836,64.135 R50.1@89.036,64.135
LED51: R51.1 U8.2 | length 8.9
  Bottom Layer w0.2: U8.2@81.509,58.166 83.693,58.166 87.122,61.595 R51.1@89.036,61.595
LED52: R52.1 U8.3 | length 8.8
  Bottom Layer w0.2: U8.3@81.509,56.896 83.693,56.896 86.741,59.944 R52.1@89.036,59.944
LED53: R53.1 U8.4 | length 8.1
  Bottom Layer w0.2: U8.4@81.509,55.626 83.693,55.626 85.09,57.023 R53.1@89.036,57.023
LED54: R54.1 U8.5 | length 7.6
  Bottom Layer w0.2: U8.5@81.509,54.356 84.963,54.356 85.217,54.102 R54.1@89.036,54.102
LED55: R55.1 U8.6 | length 7.8
  Bottom Layer w0.2: U8.6@81.509,53.086 86.995,53.086 87.639,52.442 R55.1@87.639,51.054
LED56: R56.1 U8.7 | length 7.3
  Bottom Layer w0.2: U8.7@81.509,51.816 84.455,51.816 85.734,50.537 R56.1@85.734,48.006
LED57: R57.1 U9.15 | length 24.1
  Bottom Layer w0.2: U9.15@59.588,41.402 61.976,41.402 65.532,44.958 R57.1@82.178,44.958
LED58: R58.1 U9.1 | length 15.5
  Bottom Layer w0.2: U9.1@65.126,42.672 67.818,42.672 68.453,42.037 R58.1@80.4,42.037
LED59: R59.1 U9.2 | length 13.3
  Bottom Layer w0.2: U9.2@65.126,41.402 69.342,41.402 71.628,39.116 R59.1@77.479,39.116
LED60: R60.1 U9.3 | length 11.6
  Bottom Layer w0.2: U9.3@65.126,40.132 69.215,40.132 73.279,36.068 R60.1@75.066,36.068
LED61: R61.1 U9.4 | length 10.6
  Bottom Layer w0.2: U9.4@65.126,38.862 68.199,38.862 72.526,34.535 R61.1@72.526,33.147
LED62: R62.1 U9.5 | length 11.1
  Bottom Layer w0.2: U9.5@65.126,37.592 67.945,37.592 69.859,35.678 R62.1@69.859,30.099
LED63: R63.1 U9.6 | length 10.9
  Bottom Layer w0.2: U9.6@65.126,36.322 66.509,36.322 67.192,35.639 R63.1@67.192,27.051
LED64: R64.1 U9.7 | length 13.6
  Bottom Layer w0.2: R64.1@64.271,24.13 64.271,29.074 62.738,30.607 62.738,34.417 63.373,35.052 U9.7@65.126,35.052
LED65: R65.1 U10.15 | length 3.4
  Bottom Layer w0.2: U10.15@58.522,20.574 60.198,20.574 60.706,21.082 R65.1@61.731,21.082
LED66: R66.1 U10.1 | length 6.6
  Bottom Layer w0.2: U10.1@52.984,19.304 52.984,18.644 53.594,18.034 R66.1@58.683,18.034
LED67: R67.1 U10.2 | length 9.5
  Bottom Layer w0.2: U10.2@52.984,20.574 51.689,20.574 51.467,20.352 51.467,18.891 55.372,14.986 R67.1@56.27,14.986
LED68: R68.1 U10.3 | length 12.4
  Bottom Layer w0.2: U10.3@52.476,21.844 51.181,21.844 50.805,21.468 50.805,18.537 53.603,15.739 R68.1@53.603,12.065
LED69: R69.1 U10.4 | length 23.6
  Bottom Layer w0.2: U10.4@52.476,23.114 50.866,23.114 50.485,22.733 50.485,18.349 52.197,16.637 52.197,11.303 53.213,10.287 59.563,10.287 60.189,9.661 R69.1@60.189,9.017
LED70: R70.1 U10.5 | length 25.3
  Bottom Layer w0.2: U10.5@52.476,24.384 50.546,24.384 50.231,24.069 50.231,22.932 50.165,22.866 50.165,18.161 51.689,16.637 51.689,9.525 53.721,7.493 56.642,7.493 57.522,6.613 R70.1@57.522,5.969
NetBUZZER2_2: BUZZER2.2 Q15.3 R76.1 | length 12.5
  Bottom Layer w0.3: BUZZER2.2@83.312,19.812 80.629,22.495 R76.1@80.629,28.194 Q15.3@83.601,28.194
NetD1_2: D1.2 SW2.2 | length 2.8
  Bottom Layer w0.5: SW2.2@20.066,18.669 D1.2@22.827,18.669
NetLED1_2: LED1.2 R1.2 | length 1.9
  Top Layer w0.2: LED1.2@50.851,3 v1(51.641,3)
  Bottom Layer w0.2: v1(51.641,3) 52.666,3 R1.2@52.714,3.048
NetLED2_2: LED2.2 R2.2 | length 2
  Top Layer w0.2: LED2.2@48.151,6 v1@49.056,6
  Bottom Layer w0.2: v1(49.057,5.999) 50.143,5.999 R2.2@50.165,5.978
NetLED3_2: LED3.2 R3.2 | length 2
  Top Layer w0.2: LED3.2@45.351,9 46.211,9 v1(46.228,9.017)
  Bottom Layer w0.2: v1(46.228,9.017) R3.2@47.38,9.017
NetLED4_2: LED4.2 R4.2 | length 2.6
  Top Layer w0.2: LED4.2@42.651,12 v1(43.877,12)
  Bottom Layer w0.2: v1(43.877,12) 45.156,12 R4.2@45.221,12.065
NetLED5_2: LED5.2 R5.2 | length 2.5
  Top Layer w0.2: LED5.2@40.051,15 40.065,14.986 v1(41.402,14.986)
  Bottom Layer w0.2: v1(41.402,14.986) R5.2@42.554,14.986
NetLED6_2: LED6.2 R6.2 | length 2.7
  Top Layer w0.2: LED6.2@37.451,18 38.701,18 v1(38.735,18.034)
  Bottom Layer w0.2: v1(38.735,18.034) R6.2@40.141,18.034
NetLED7_2: LED7.2 R7.2 | length 2.6
  Top Layer w0.2: LED7.2@34.651,21 34.696,20.955 v1(36.195,20.955)
  Bottom Layer w0.2: v1(36.195,20.955) R7.2@37.22,20.955
NetLED8_2: LED8.2 R8.2 | length 3.8
  Top Layer w0.2: LED8.2@31.851,24 31.854,24.003 v1(34.036,24.003)
  Bottom Layer w0.2: v1(34.036,24.003) R8.2@35.623,24.003
NetLED9_2: LED9.2 R9.2 | length 2.4
  Top Layer w0.2: LED9.2@29.151,27 29.202,27.051 v1(30.48,27.051)
  Bottom Layer w0.2: v1(30.48,27.051) R9.2@31.505,27.051